# Altium PCB APP_EMILE.PcbDoc (part 3 of 6) (continued)
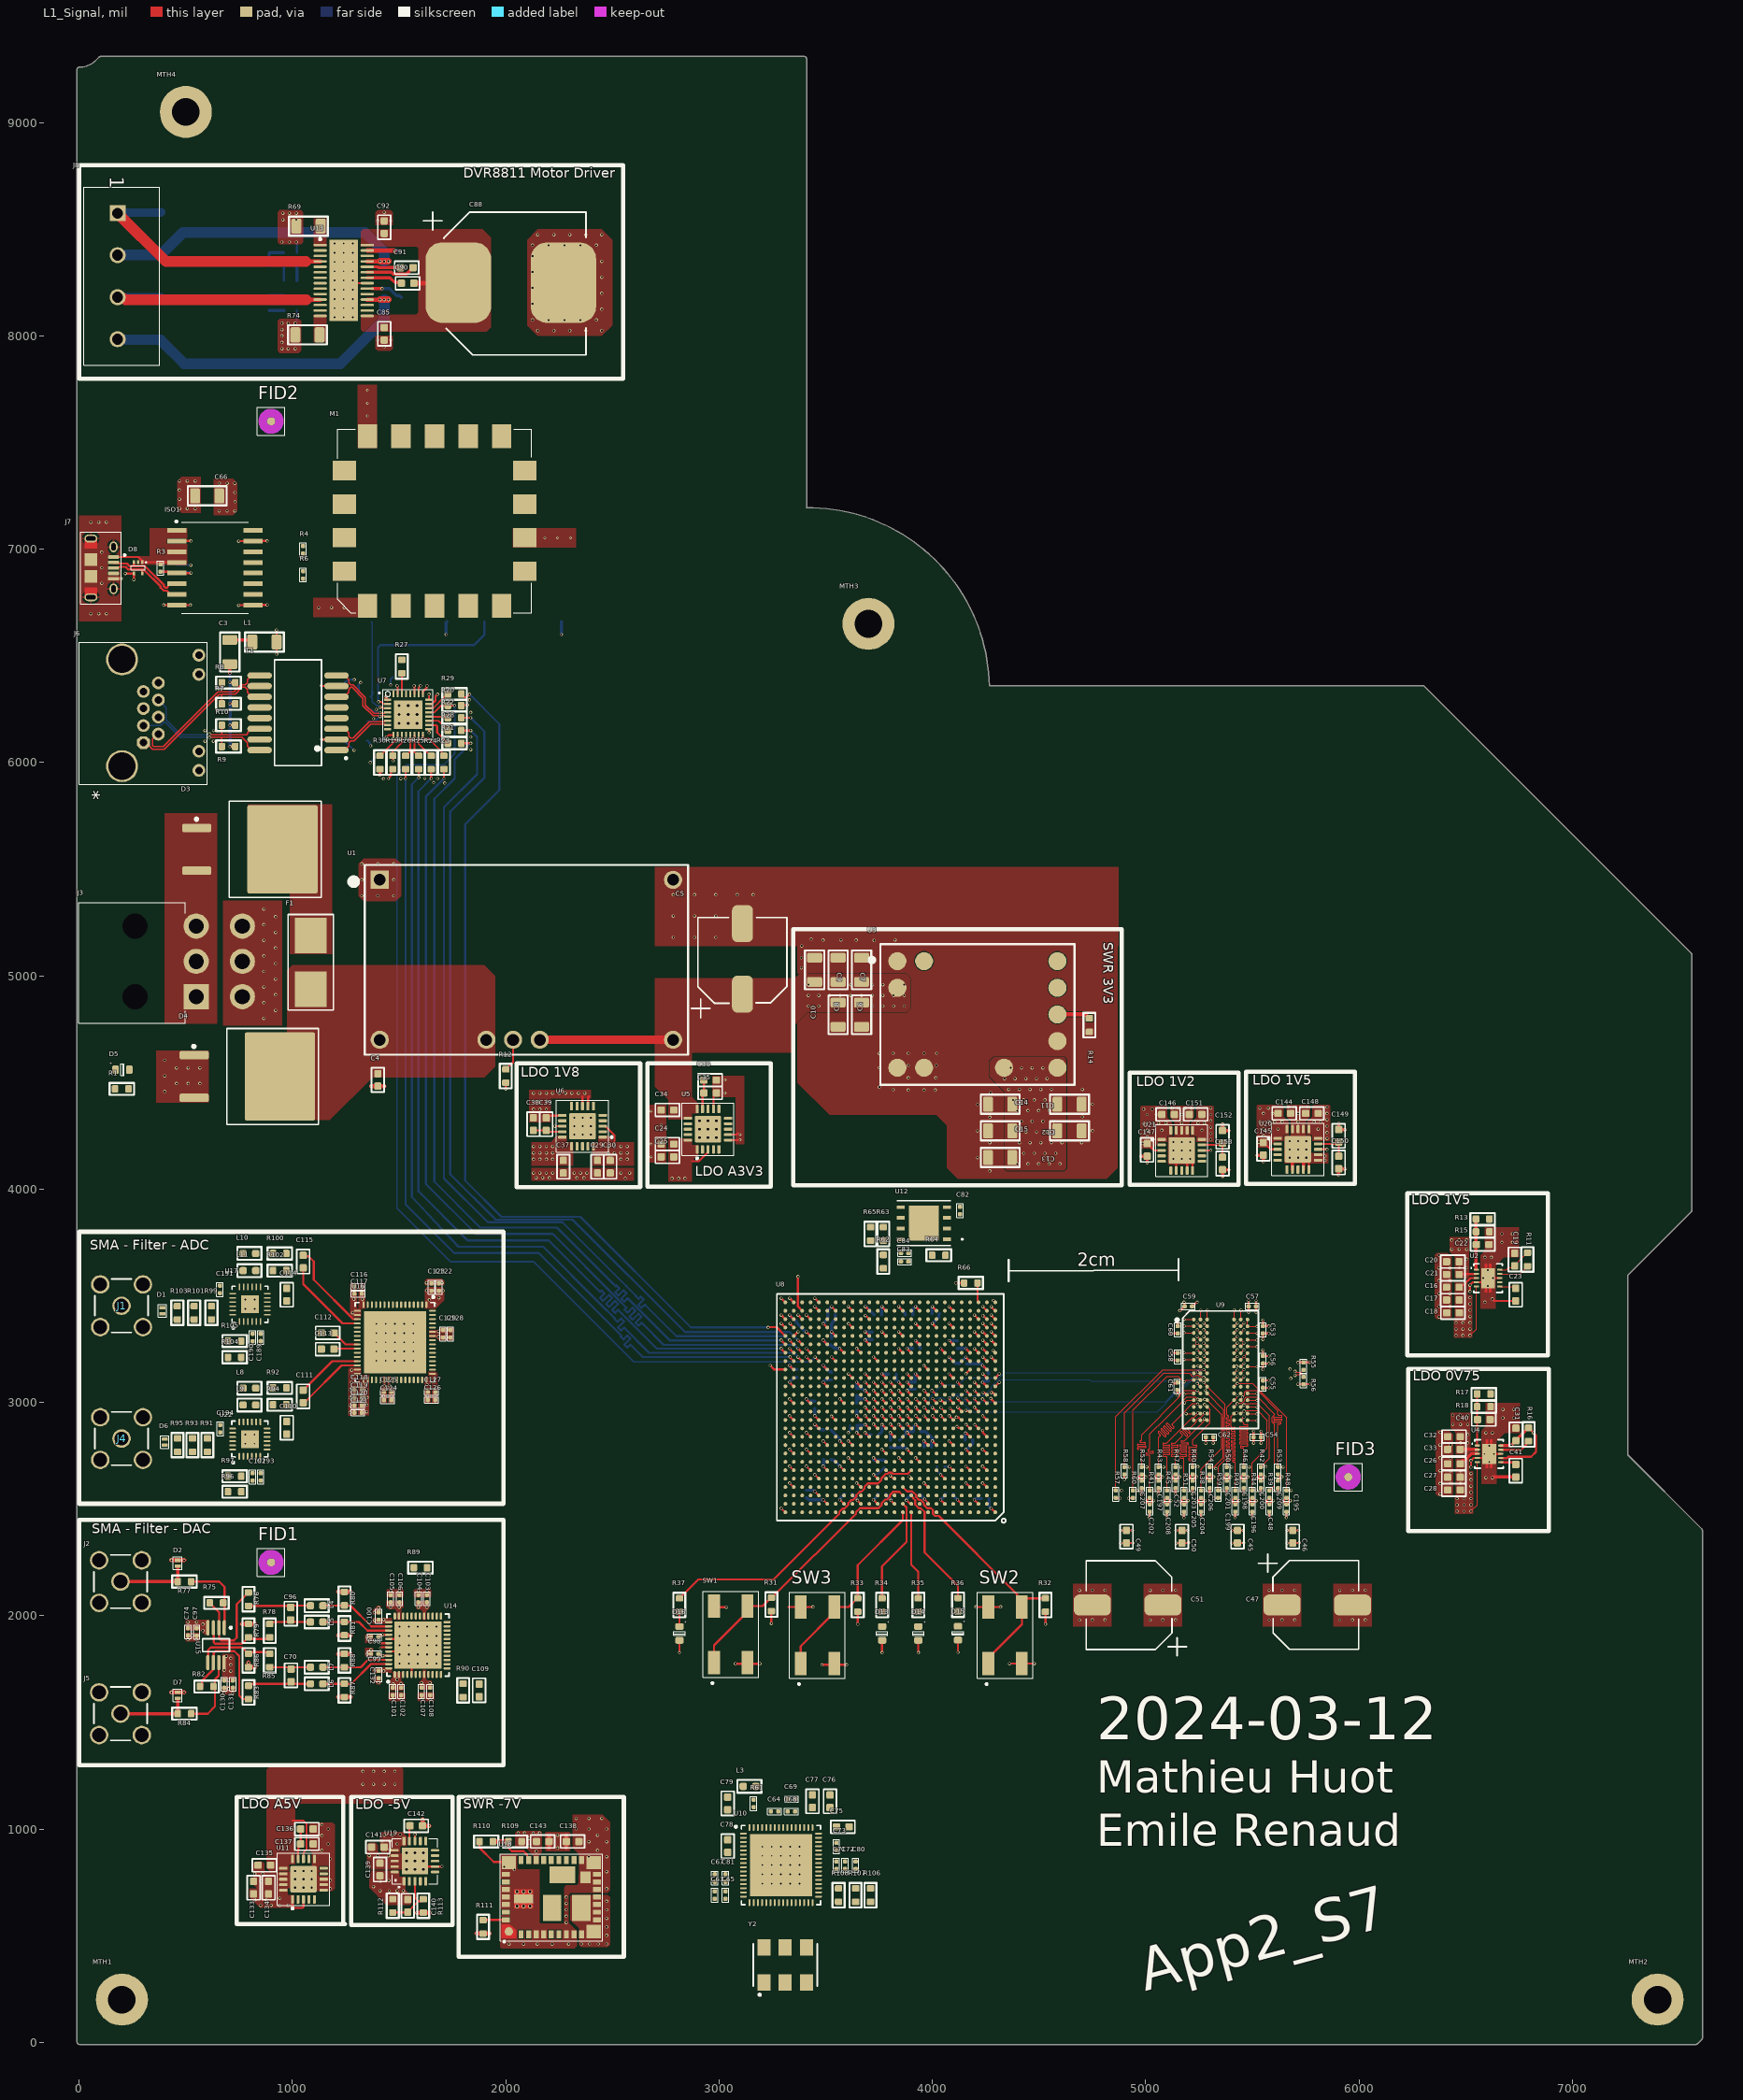
[diagram p0: L1_Signal view]
## Nets (pads, with @x,y where several pads share a name; then routed paths per layer and width w, separated by ;. In a path a pad name is that pad's centre, name@x,y a point inside that pad or via, vN(x,y) a via of type N, cw(c..) or ccw(c..) an arc to the next point about the centre after c; other vN are vias at no path point) (continued)
  L1_Signal w15: C26.2@6474.41,2716.97 6485.28,2727.84 6495.78,2727.84 6527.51,2759.57 U4.3@6554.8,2759.57
  other v1: 5020.46,1979.5 5579.04,1979.5 5080.46,1979.75 5140.46,1980 5639.04,1979.75 5699.04,1980 5020.46,2119.25 5080.46,2119.5 5579.04,2119.25 5639.04,2119.5 5140.46,2119.75 5699.04,2119.75 6460,2490 6492.46,2490 6460,2519.5 6492.46,2519.5 6524.91,2519.5 5000.09,2535 5081,2535 5161.54,2535 5241,2535 5401,2535 5481.54,2535 5561.54,2535 5641,2535 6460,2548.99 6492.46,2548.99 6524.91,2548.99 6524.91,2578.49 6524.91,2607.98 6476.7,2620 6524.91,2637.48 4962.54,2645 5041,2645 5121,2645 5201,2645 5281,2645 5361,2645 5441,2645 5521,2645 6524.91,2666.97 6476.7,2680
DDR3_1V5: C16.2 C17.2 C18.2 C53.2 C54.2 C55.2 C56.2 C57.2 C58.2 C59.2 C60.2 C61.2 C62.2 U2.3 U2.5 U9.A1 U9.A8 U9.B2 U9.C1 U9.C9 U9.D2 U9.D9 U9.E9 U9.F1 U9.G7 U9.H2 U9.H9 U9.K2 U9.K8 U9.N1 U9.N9 U9.R1 U9.R9 | length 1366.4
  L1_Signal w4: v1(5180,3390) 5180.67,3389.33 U9.A1@5224.53,3389.33 ; v1@5180.67,3231.85 U9.F1@5224.53,3231.85 ; v1@5180.67,3326.34 U9.C1@5224.53,3326.34 ; v1(5182.23,2997.51) 5194.04,3009.32 5222.48,3009.32 U9.N1@5224.53,3011.38 ; v1(5189.79,2947) 5191.08,2945.71 5203.29,2945.71 5205.29,2947.71 5223.86,2947.71 U9.R1@5224.53,2948.38 ; v1(5241.5,3309.01) 5241.68,3309.01 5256.52,3294.17 U9.D2@5256.7,3294.17 ; v1(5241.5,3372) 5241.68,3372 5256.52,3357.16 U9.B2@5256.7,3357.16 ; v1(5242.72,3113.43) 5245.59,3113.43 5253.83,3105.19 U9.K2@5256.7,3105.19 ; v1(5245.62,3171.06) 5253.82,3171.06 U9.H2@5256.7,3168.18 ; U9.G7@5414.18,3199.68 5414.18,3199.86 5429.02,3214.7 v1(5429.02,3214.88) ; U9.K8@5445.68,3105.19 5445.68,3105.37 5460.52,3120.21 v1(5460.52,3120.39) ; U9.A8@5446.35,3389.33 v1@5446.35,3433.19 ; U9.R9@5477.84,2947.04 v1@5521.7,2947.04 ; U9.N9@5477.84,3010.03 v1@5521.7,3010.03 ; U9.H9@5477.84,3167.51 v1@5521.7,3167.51 ; U9.E9@5477.84,3262 v1@5521.7,3262 ; U9.D9@5477.84,3293.5 v1@5521.7,3293.5 ; U9.C9@5477.84,3324.99 v1@5521.7,3324.99
  L1_Signal w5: v1(6520,3314.08) 6549.88,3343.96 U2.5@6549.88,3543.23
  L1_Signal w10: v1(5122.5,3232.02) C58.2@5150,3232.02 ; v1(5122.5,3323) C60.2@5150,3323 ; C61.2@5147.6,3058.19 5149.11,3056.68 5149.11,3034.77 v1(5150.06,3033.82) ; C59.2@5217.5,3450 5219.5,3450 5239.61,3470.11 v1(5241.62,3470.11) ; v1(5281.96,2809.39) C62.2@5281.96,2836.89 ; v1(5482.5,3422.5) C57.2@5482.5,3450 v1(5482.5,3477.5) ; v1(5541.01,2809.39) C54.2@5541.01,2836.89 v1(5541.01,2864.39) ; C55.2@5550,3103.14 v1(5577.5,3103.14) ; v1(5550,3154.86) C56.2@5550,3182.36 v1(5577.5,3182.36) ; v1(5550,3295.86) C53.2@5550,3323.36 v1(5577.5,3323.36) ; C16.2@6469.5,3540 6480.36,3550.86 6490.86,3550.86 6522.6,3582.6 U2.3@6549.88,3582.6
  other v1: 5522.38,2946.37 5522.38,3009.36 5522.38,3166.84 5180,3232.52 5522.38,3261.33 5522.38,3292.82 6455.09,3314.08 6487.54,3314.08 5522.38,3324.32 5180,3327.01 6455.09,3343.57 6487.54,3343.57 6520,3343.57 6455.09,3373.07 6487.54,3373.07 6520,3373.07 6520,3402.56 6520,3432.06 5447.02,3433.86 6520,3461.55 6520,3491.05
DDR3_A0: R38.1 U8.N7 U9.N3 | length 2183.1
  L1_Signal w4: R38.1@5260,2587.5 5260,2688.07 5357,2785.07 5357,2941.9 5286.49,3012.41 5277.46,3012.41 v1(5275.75,3014.12)
  L1_Signal w10: v1(4040.34,2975.01) U8.N7@4059.23,2956.11
  L10_Signal w7.04: v1(4040.34,2975.01) 4023.08,2992.26 4023.08,3024.3 4067.74,3068.96 4525,3068.96 4528.52,3068.96 ccw(c4528.52,3076) 4535.56,3076 4535.56,3082.94 cw(c4541.58,3082.94) 4541.58,3088.96 cw(c4541.58,3082.94) 4547.6,3082.94 4547.6,3054.98 ccw(c4553.62,3054.98) 4553.62,3048.96 ccw(c4553.62,3054.98) 4559.64,3054.98 4559.64,3082.94 cw(c4565.65,3082.94) 4565.65,3088.96 cw(c4565.65,3082.94) 4571.67,3082.94 4571.67,3054.98 ccw(c4577.69,3054.98) 4577.69,3048.96 ccw(c4577.69,3054.98) 4583.71,3054.98 4583.71,3082.94 cw(c4589.73,3082.94) 4589.73,3088.96 cw(c4589.73,3082.94) 4595.75,3082.94 4595.75,3054.98 ccw(c4601.77,3054.98) 4601.77,3048.96 ccw(c4601.77,3054.98) 4607.79,3054.98 4607.79,3082.94 cw(c4613.81,3082.94) 4613.81,3088.96 cw(c4613.81,3082.94) 4619.83,3082.94 4619.83,3054.98 ccw(c4625.85,3054.98) 4625.85,3048.96 ccw(c4625.85,3054.98) 4631.87,3054.98 4631.87,3076.82 cw(c4637.89,3076.82) 4637.89,3082.84 cw(c4637.89,3076.82) 4643.9,3076.82 4643.9,3076 ccw(c4650.94,3076) 4650.94,3068.96 4690,3068.96 5209.75,3068.96 5235.7,3043.02 5255.52,3043.02 5264.83,3033.71 5264.83,3027.2 5275.75,3016.27 v1(5275.75,3014.12)
DDR3_A1: R39.1 U8.N6 U9.P7 | length 2390.9
  L1_Signal w4: U9.P7@5414.18,2979.21 5414.18,2979.39 5429.02,2994.23 v1(5429.02,2994.4) 5432,2994.4 5434.44,2996.85 5451.42,2996.85 5463.31,3008.74 5463.31,3016.44 5471.43,3024.56 5524.85,3024.56 5604,2945.41 5604,2942.1 5599.81,2937.91 5599.65,2937.91 5593.5,2931.76 5593.5,2907.06 5604,2896.56 5604,2611.5 R39.1@5580,2587.5
  L1_Signal w10: v1(4082.56,2973.04) 4082.56,2972.87 4097.76,2957.66 U8.N6@4097.94,2957.66
  L3_Signal w7.04: v1(4082.56,2973.04) 4111.02,2944.57 4118.43,2944.57 4150.1,2912.9 4318.32,2912.9 4361.23,2870 4428.13,2870 4431.65,2870 ccw(c4431.65,2877.04) 4438.69,2877.04 4438.69,2883.98 cw(c4444.7,2883.98) 4444.7,2890 cw(c4444.7,2883.98) 4450.72,2883.98 4450.72,2856.02 ccw(c4456.74,2856.02) 4456.74,2850 ccw(c4456.74,2856.02) 4462.76,2856.02 4462.76,2883.98 cw(c4468.78,2883.98) 4468.78,2890 cw(c4468.78,2883.98) 4474.8,2883.98 4474.8,2856.02 ccw(c4480.82,2856.02) 4480.82,2850 ccw(c4480.82,2856.02) 4486.84,2856.02 4486.84,2881.94 cw(c4492.86,2881.94) 4492.86,2887.96 cw(c4492.86,2881.94) 4498.88,2881.94 4498.88,2862.96 ccw(c4504.9,2862.96) 4504.9,2856.94 ccw(c4504.9,2862.96) 4510.92,2862.96 cw(c4517.95,2862.96) 4517.95,2870 5006.81,2870 5365.44,2870 5440.61,2945.17 5440.61,2948.58 5447.72,2955.69 5447.72,2965.21 5455.94,2973.42 5465.46,2973.42 5474.54,2982.5 5474.54,3000.21 5466.32,3008.42 5454.71,3008.42 5442.21,2995.93 5430.54,2995.93 v1(5429.02,2994.4)
DDR3_A2: R40.1 U8.R9 U9.P3 | length 2297.1
  L1_Signal w4: R40.1@5220,2697.5 5220,2721.5 5220,2723.5 ccw(c5215.5,2723.5) 5215.5,2728 5204.5,2728 cw(c5204.5,2732.5) 5204.5,2737 5235.5,2737 ccw(c5235.5,2741.5) 5235.5,2746 5204.5,2746 cw(c5204.5,2750.5) 5204.5,2755 5235.5,2755 ccw(c5235.5,2759.5) 5235.5,2764 5204.5,2764 cw(c5204.5,2768.5) 5204.5,2773 5235.5,2773 ccw(c5235.5,2777.5) 5235.5,2782 5204.5,2782 cw(c5204.5,2786.5) 5204.5,2791 5235.5,2791 ccw(c5235.5,2795.5) 5235.5,2800 5224.5,2800 cw(c5224.5,2804.5) 5220,2804.5 5220,2817.09 5220,2823.64 5302.05,2905.69 5302.05,2965.35 U9.P3@5288.2,2979.21 5287.5,2979.21 5276.54,2990.17 v1(5275.84,2990.17)
  L1_Signal w10: v1(3960.93,3055.29) U8.R9@3979.83,3036.4
  L10_Signal w7.04: v1(3960.93,3055.29) 3962.46,3053.77 3978.69,3053.77 3990.55,3041.91 4026.5,3041.91 4094.58,3110 4390,3110 4393.52,3110 ccw(c4393.52,3117.04) 4400.56,3117.04 4400.56,3117.63 cw(c4406.58,3117.63) 4406.58,3123.65 cw(c4406.58,3117.63) 4412.6,3117.63 4412.6,3096.02 ccw(c4418.62,3096.02) 4418.62,3090 ccw(c4418.62,3096.02) 4424.64,3096.02 4424.64,3117.63 cw(c4430.65,3117.63) 4430.65,3123.65 cw(c4430.65,3117.63) 4436.67,3117.63 4436.67,3096.02 ccw(c4442.69,3096.02) 4442.69,3090 ccw(c4442.69,3096.02) 4448.71,3096.02 4448.71,3117.63 cw(c4454.73,3117.63) 4454.73,3123.65 cw(c4454.73,3117.63) 4460.75,3117.63 4460.75,3096.02 ccw(c4466.77,3096.02) 4466.77,3090 ccw(c4466.77,3096.02) 4472.79,3096.02 4472.79,3111.92 cw(c4478.81,3111.92) 4478.81,3117.94 cw(c4478.81,3111.92) 4484.83,3111.92 4484.83,3102.96 ccw(c4490.85,3102.96) 4490.85,3096.94 ccw(c4490.85,3102.96) 4496.87,3102.96 cw(c4503.9,3102.96) 4503.9,3110 4600,3110 4780.65,3110 4787.01,3103.65 4824.38,3103.65 4830.74,3110 5208.37,3110 5228.34,3090.03 5228.34,3082.62 5239.9,3071.06 5247.31,3071.06 5265.37,3053 5265.37,3049.29 5290.07,3024.59 5290.07,3004.55 5275.84,2990.32 v1(5275.84,2990.17)
DDR3_A3: R41.1 U8.P7 U9.N2 | length 2318.9
  L1_Signal w4: R41.1@5019.09,2587.5 5019.09,2746.28 5019.09,2748.28 ccw(c5014.59,2748.28) 5014.59,2752.78 5003.59,2752.78 cw(c5003.59,2757.28) 5003.59,2761.78 5033.22,2761.78 ccw(c5033.22,2766.28) 5033.22,2770.78 5014.59,2770.78 cw(c5014.59,2775.28) 5014.59,2779.78 ccw(c5014.59,2784.28) 5019.09,2784.28 5019.09,2847.06 5019.09,2852.05 5092.62,2925.58 5147.6,2980.56 5191.6,3024.56 5232.05,3024.56 5243.07,3013.55 5243.07,3011.38 5244.22,3012.53 5254.87,3012.53 U9.N2@5256.7,3010.7 ; v1@5242.15,3012.3 v1(5244.21,3014.37)
  L1_Signal w10: v1(4037.1,3010.53) 4038.06,3009.58 4043.58,3009.58 4056.13,2997.03 U8.P7@4058.57,2997.03
  L10_Signal w7.04: v1(4037.1,3010.53) 4039.26,3010.53 4048.77,3020.04 4058.11,3020.04 4073.24,3035.18 4084.85,3035.18 4100.41,3019.62 4100.41,3018.36 4115.96,3002.8 4123.06,3002.8 4136.65,3016.39 4136.65,3017.52 4151.13,3032 4240.14,3032 4267.93,3004.21 4663.37,3004.21 4664.03,3004.21 4666.89,3007.07 ccw(c4656.6,3017.35) 4671.15,3017.35 4671.15,3031.97 cw(c4679.67,3031.97) 4679.67,3040.49 cw(c4679.67,3031.97) 4688.19,3031.97 4688.19,3009.01 ccw(c4696.71,3009.01) 4696.71,3000.49 ccw(c4696.71,3009.01) 4705.22,3009.01 4705.22,3031.97 cw(c4713.74,3031.97) 4713.74,3040.49 cw(c4713.74,3031.97) 4722.26,3031.97 4722.26,3009.01 ccw(c4730.78,3009.01) 4730.78,3000.49 ccw(c4730.78,3009.01) 4739.3,3009.01 4739.3,3031.97 cw(c4747.82,3031.97) 4747.82,3040.49 cw(c4747.82,3031.97) 4756.34,3031.97 4756.34,3009.01 ccw(c4764.86,3009.01) 4764.86,3000.49 ccw(c4764.86,3009.01) 4773.38,3009.01 4773.38,3031.97 cw(c4781.9,3031.97) 4781.9,3040.49 cw(c4781.9,3031.97) 4790.42,3031.97 4790.42,3009.01 ccw(c4798.94,3009.01) 4798.94,3000.49 ccw(c4798.94,3009.01) 4807.46,3009.01 4807.46,3031.97 cw(c4815.98,3031.97) 4815.98,3040.49 cw(c4815.98,3031.97) 4824.49,3031.97 4824.49,3009.01 ccw(c4833.01,3009.01) 4833.01,3000.49 ccw(c4833.01,3009.01) 4841.53,3009.01 4841.53,3031.97 cw(c4850.05,3031.97) 4850.05,3040.49 cw(c4850.05,3031.97) 4858.57,3031.97 4858.57,3029.01 ccw(c4867.09,3029.01) 4867.09,3020.49 4892.4,3020.49 5012.45,3020.49 5020.87,3012.06 5239.11,3012.06 5239.89,3012.84 5242.69,3012.84 v1(5244.21,3014.37)
DDR3_A4: R42.1 U8.N9 U9.P8 | length 2187.5
  L1_Signal w4: U9.P8@5445.68,2979.21 5445.68,2979.39 v1@5456.69,2990.4 ; v1(5459.65,2987.44) v1@5456.69,2990.4 ; R42.1@5540,2697.5 5580,2737.5 5580,2937.92 5523.51,2994.4 5460.52,2994.4 5460.52,2994.23 v1@5456.69,2990.4
  L1_Signal w10: v1(3960.93,2976.9) U8.N9@3979.83,2958.01
  L3_Signal w7.04: v1(3960.93,2976.9) 3980.55,2996.52 4042.91,2996.52 4053.53,3007.14 4112.39,3007.14 4118.02,3001.5 4223.83,3001.5 4233.89,2991.45 4398.55,2991.45 4425,2965 4447.35,2965 4462.91,2965 cw(c4462.91,2957.96) 4469.94,2957.96 4469.94,2951.02 ccw(c4475.96,2951.02) 4475.96,2945 ccw(c4475.96,2951.02) 4481.98,2951.02 4481.98,2958.98 cw(c4488,2958.98) 4488,2965 cw(c4488,2958.98) 4494.02,2958.98 4494.02,2951.02 ccw(c4500.04,2951.02) 4500.04,2945 ccw(c4500.04,2951.02) 4506.06,2951.02 4506.06,2958.98 cw(c4512.08,2958.98) 4512.08,2965 cw(c4512.08,2958.98) 4518.1,2958.98 4518.1,2951.02 ccw(c4524.12,2951.02) 4524.12,2945 ccw(c4524.12,2951.02) 4530.14,2951.02 4530.14,2958.98 cw(c4536.16,2958.98) 4536.16,2965 cw(c4536.16,2958.98) 4542.18,2958.98 4542.18,2951.02 ccw(c4548.19,2951.02) 4548.19,2945 ccw(c4548.2,2951.02) 4554.21,2951.02 4554.21,2958.98 cw(c4560.23,2958.98) 4560.23,2965 cw(c4560.23,2958.98) 4566.25,2958.98 4566.25,2951.02 ccw(c4572.27,2951.02) 4572.27,2945 ccw(c4572.27,2951.02) 4578.29,2951.02 4578.29,2958.98 cw(c4584.31,2958.98) 4584.31,2965 cw(c4584.31,2958.98) 4590.33,2958.98 4590.33,2951.02 ccw(c4596.35,2951.02) 4596.35,2945 ccw(c4596.35,2951.02) 4602.37,2951.02 4602.37,2958.98 cw(c4608.39,2958.98) 4608.39,2965 cw(c4608.39,2958.98) 4614.41,2958.98 4614.41,2955.73 ccw(c4620.43,2955.73) 4620.43,2949.71 ccw(c4620.43,2955.73) 4626.45,2955.73 4626.45,2957.96 cw(c4633.48,2957.96) 4633.48,2965 5012.82,2965 5431.11,2965 5452.03,2985.92 5458.13,2985.92 v1(5459.65,2987.44)
DDR3_A5: R43.1 U8.R2 U9.P2 | length 2435.1
  L1_Signal w4: R43.1@5060,2697.5 5060,2834.89 5065.81,2840.7 5067.22,2842.11 ccw(c5064.04,2845.3) 5067.22,2848.48 5059.45,2856.26 cw(c5062.63,2859.44) 5059.45,2862.62 cw(c5062.63,2859.44) 5065.81,2862.62 5087.73,2840.7 ccw(c5090.91,2843.88) 5094.09,2840.7 ccw(c5090.91,2843.88) 5094.09,2847.06 5072.17,2868.98 cw(c5075.36,2872.17) 5072.17,2875.35 cw(c5075.36,2872.17) 5078.54,2875.35 5100.46,2853.43 ccw(c5103.64,2856.61) 5106.82,2853.43 ccw(c5103.64,2856.61) 5106.82,2859.79 5084.9,2881.71 cw(c5088.08,2884.89) 5084.9,2888.08 cw(c5088.08,2884.89) 5091.27,2888.08 5113.19,2866.16 ccw(c5116.37,2869.34) 5119.55,2866.16 ccw(c5116.37,2869.34) 5119.55,2872.52 5097.63,2894.44 cw(c5100.81,2897.62) 5097.63,2900.8 cw(c5100.81,2897.62) 5103.99,2900.8 5125.18,2879.62 ccw(c5128.36,2882.8) 5131.54,2879.62 ccw(c5128.36,2882.8) 5131.54,2885.98 5124.5,2893.03 cw(c5127.68,2896.21) 5124.5,2899.39 5160.94,2935.83 5219.17,2994.06 5242.1,2994.06 v1(5243.8,2992.36) ; v1@5243.8,2991.98 5244.05,2991.98 5256.7,2979.33 U9.P2@5256.7,2979.21
  L1_Signal w10: v1(4238.05,3046.02) 4239,3045.06 4244.32,3045.06 4253.33,3036.05 U8.R2@4255.42,3036.05
  L3_Signal w7.04: v1(4238.05,3046.02) 4238.05,3043.87 4249.03,3032.88 4249.03,3023.1 4270.65,3001.49 4402.71,3001.49 4420.71,2983.49 4428.13,2983.49 4457.58,2983.49 ccw(c4457.58,2990.52) 4464.62,2990.52 4464.62,2997.47 cw(c4470.64,2997.47) 4470.64,3003.49 cw(c4470.64,2997.47) 4476.66,2997.47 4476.66,2981.06 ccw(c4482.67,2981.06) 4482.67,2975.04 ccw(c4482.67,2981.06) 4488.69,2981.06 4488.69,2997.47 cw(c4494.71,2997.47) 4494.71,3003.49 cw(c4494.71,2997.47) 4500.73,2997.47 4500.73,2981.06 ccw(c4506.75,2981.06) 4506.75,2975.04 ccw(c4506.75,2981.06) 4512.77,2981.06 4512.77,2997.47 cw(c4518.79,2997.47) 4518.79,3003.49 cw(c4518.79,2997.47) 4524.81,2997.47 4524.81,2981.06 ccw(c4530.83,2981.06) 4530.83,2975.04 ccw(c4530.83,2981.06) 4536.85,2981.06 4536.85,2997.47 cw(c4542.87,2997.47) 4542.87,3003.49 cw(c4542.87,2997.47) 4548.89,2997.47 4548.89,2981.06 ccw(c4554.91,2981.06) 4554.91,2975.04 ccw(c4554.91,2981.06) 4560.92,2981.06 4560.93,2997.47 cw(c4566.94,2997.47) 4566.94,3003.49 cw(c4566.94,2997.47) 4572.96,2997.47 4572.96,2981.06 ccw(c4578.98,2981.06) 4578.98,2975.04 ccw(c4578.98,2981.06) 4585,2981.06 4585,2997.47 cw(c4591.02,2997.47) 4591.02,3003.49 cw(c4591.02,2997.47) 4597.04,2997.47 4597.04,2981.06 ccw(c4603.06,2981.06) 4603.06,2975.04 ccw(c4603.06,2981.06) 4609.08,2981.06 4609.08,2997.47 cw(c4615.1,2997.47) 4615.1,3003.49 cw(c4615.1,2997.47) 4621.12,2997.47 4621.12,2981.06 ccw(c4627.14,2981.06) 4627.14,2975.04 ccw(c4627.14,2981.06) 4633.16,2981.06 4633.16,2997.47 cw(c4639.18,2997.47) 4639.18,3003.49 cw(c4639.18,2997.47) 4645.19,2997.47 4645.19,2981.06 ccw(c4651.21,2981.06) 4651.21,2975.04 ccw(c4651.21,2981.06) 4657.23,2981.06 4657.23,2997.47 cw(c4663.25,2997.47) 4663.25,3003.49 cw(c4663.25,2997.47) 4669.27,2997.47 4669.27,2981.06 ccw(c4675.29,2981.06) 4675.29,2975.04 ccw(c4675.29,2981.06) 4681.31,2981.06 4681.31,2997.47 cw(c4687.33,2997.47) 4687.33,3003.49 cw(c4687.33,2997.47) 4693.35,2997.47 4693.35,2981.06 ccw(c4699.37,2981.06) 4699.37,2975.04 ccw(c4699.37,2981.06) 4705.39,2981.06 4705.39,2997.47 cw(c4711.41,2997.47) 4711.41,3003.49 cw(c4711.41,2997.47) 4717.43,2997.47 4717.43,2981.06 ccw(c4723.44,2981.06) 4723.44,2975.04 ccw(c4723.44,2981.06) 4729.46,2981.06 4729.46,2997.47 cw(c4735.48,2997.47) 4735.48,3003.49 cw(c4735.48,2997.47) 4741.5,2997.47 4741.5,2981.06 ccw(c4747.52,2981.06) 4747.52,2975.04 ccw(c4747.52,2981.06) 4753.54,2981.06 4753.54,2997.47 cw(c4759.56,2997.47) 4759.56,3003.49 cw(c4759.56,2997.47) 4765.58,2997.47 4765.58,2981.06 ccw(c4771.6,2981.06) 4771.6,2975.04 ccw(c4771.6,2981.06) 4777.62,2981.06 4777.62,2997.47 cw(c4783.64,2997.47) 4783.64,3003.49 cw(c4783.64,2997.47) 4789.66,2997.47 4789.66,2981.06 ccw(c4795.68,2981.06) 4795.68,2975.04 ccw(c4795.68,2981.06) 4801.69,2981.06 4801.69,2997.47 cw(c4807.71,2997.47) 4807.71,3003.49 cw(c4807.71,2997.47) 4813.73,2997.47 4813.73,2990.52 ccw(c4820.77,2990.52) 4820.77,2983.49 5125.25,2983.49 5204.12,2983.49 5214.69,2994.06 5225.87,2994.06 5226.05,2993.88 5242.28,2993.88 v1(5243.8,2992.36)
DDR3_A6: R44.1 U8.R1 U9.R8 | length 2267.8
  L1_Signal w4: U9.R8@5445.68,2947.71 5446.76,2947.71 5460.69,2961.64 5461.78,2961.64 5524.78,2961.64 5570,2916.42 5570,2787.5 5500,2717.5 R44.1@5500,2587.5 ; v1(5461.74,2959.4) v1@5461.74,2961.64
  L1_Signal w10: v1(4275.89,3046.02) 4276.76,3046.88 4281.87,3046.88 4292.7,3036.05 U8.R1@4294.79,3036.05
  L3_Signal w7.04: v1(4275.89,3046.02) 4352.46,3046.02 4354.28,3047.84 4727.98,3047.84 4731.5,3047.84 ccw(c4731.5,3054.88) 4738.54,3054.88 4738.54,3057.75 cw(c4744.56,3057.75) 4744.56,3063.77 cw(c4744.56,3057.75) 4750.58,3057.75 4750.58,3040.8 ccw(c4756.6,3040.8) 4756.6,3034.78 ccw(c4756.6,3040.8) 4762.62,3040.8 cw(c4769.66,3040.8) 4769.66,3047.84 4878.47,3047.84 4951.16,3047.84 4954.68,3047.84 ccw(c4954.68,3054.88) 4961.72,3054.88 4961.72,3061.82 cw(c4967.73,3061.82) 4967.73,3067.84 cw(c4967.73,3061.82) 4973.75,3061.82 4973.75,3040.43 ccw(c4979.77,3040.43) 4979.77,3034.41 ccw(c4979.77,3040.43) 4985.79,3040.43 4985.79,3061.82 cw(c4991.81,3061.82) 4991.81,3067.84 cw(c4991.81,3061.82) 4997.83,3061.82 4997.83,3040.43 ccw(c5003.85,3040.43) 5003.85,3034.41 ccw(c5003.85,3040.43) 5009.87,3040.43 5009.87,3061.82 cw(c5015.89,3061.82) 5015.89,3067.84 cw(c5015.89,3061.82) 5021.91,3061.82 5021.91,3040.43 ccw(c5027.93,3040.43) 5027.93,3034.41 ccw(c5027.93,3040.43) 5033.95,3040.43 5033.95,3061.82 cw(c5039.97,3061.82) 5039.97,3067.84 cw(c5039.97,3061.82) 5045.98,3061.82 5045.98,3040.43 ccw(c5052,3040.43) 5052,3034.41 ccw(c5052,3040.43) 5058.02,3040.43 5058.02,3061.82 cw(c5064.04,3061.82) 5064.04,3067.84 cw(c5064.04,3061.82) 5070.06,3061.82 5070.06,3040.43 ccw(c5076.08,3040.43) 5076.08,3034.41 ccw(c5076.08,3040.43) 5082.1,3040.43 5082.1,3061.82 cw(c5088.12,3061.82) 5088.12,3067.84 cw(c5088.12,3061.82) 5094.14,3061.82 5094.14,3040.43 ccw(c5100.16,3040.43) 5100.16,3034.41 ccw(c5100.16,3040.43) 5106.18,3040.43 5106.18,3061.82 cw(c5112.2,3061.82) 5112.2,3067.84 cw(c5112.2,3061.82) 5118.22,3061.82 5118.22,3054.88 ccw(c5125.25,3054.88) 5125.25,3047.84 5139.7,3047.84 5155.78,3047.84 5160.35,3052.41 5226.3,3052.41 5236.28,3042.44 5334.75,3042.44 5337.27,3044.96 5483.35,3044.96 5490,3038.31 5490,2970 5479.8,2959.8 5462.14,2959.8 v1(5461.74,2959.4)
DDR3_A7: R45.1 U8.P10 U9.R2 | length 2317.8
  L1_Signal w4: R45.1@5100,2587.5 5100,2739.78 5100,2741.78 ccw(c5095.5,2741.78) 5095.5,2746.28 5084.5,2746.28 cw(c5084.5,2750.78) 5084.5,2755.28 5109.02,2755.28 ccw(c5109.02,2759.78) 5109.02,2764.28 5084.5,2764.28 cw(c5084.5,2768.78) 5084.5,2773.28 5109.02,2773.28 ccw(c5109.02,2777.78) 5109.02,2782.28 5084.5,2782.28 cw(c5084.5,2786.78) 5084.5,2791.28 5109.02,2791.28 ccw(c5109.02,2795.78) 5109.02,2800.28 5084.5,2800.28 cw(c5084.5,2804.78) 5084.5,2809.28 5096.8,2809.28 ccw(c5096.8,2813.78) 5099.99,2810.6 5121.95,2832.56 5202.68,2913.29 5219.46,2930.07 5227.16,2930.07 5242.18,2945.09 5242.18,2948.88 v1(5244.28,2950.98)
  L1_Signal w10: v1(3921.56,3015.92) U8.P10@3940.46,2997.03
  L10_Signal w7.04: v1(3921.56,3015.92) 3940.26,3015.92 3964.01,2992.17 4004.09,2992.17 4019.31,2976.95 4019.31,2976.21 4034.53,2960.99 4046.14,2960.99 4059.69,2974.53 4059.69,2977.03 4073.24,2990.57 4084.85,2990.57 4098.35,2977.07 4098.35,2975 4122.14,2951.2 4141.52,2951.2 4144.21,2948.52 4227.26,2948.52 4231.08,2952.34 4328.59,2952.34 4344.14,2952.34 cw(c4344.14,2945.3) 4351.18,2945.3 4351.18,2938.36 ccw(c4357.2,2938.36) 4357.2,2932.34 ccw(c4357.2,2938.36) 4363.22,2938.36 4363.22,2946.32 cw(c4369.24,2946.32) 4369.24,2952.34 cw(c4369.24,2946.32) 4375.26,2946.32 4375.26,2938.36 ccw(c4381.28,2938.36) 4381.28,2932.34 ccw(c4381.28,2938.36) 4387.3,2938.36 4387.3,2946.32 cw(c4393.32,2946.32) 4393.32,2952.34 cw(c4393.32,2946.32) 4399.34,2946.32 4399.34,2938.36 ccw(c4405.36,2938.36) 4405.36,2932.34 ccw(c4405.36,2938.36) 4411.37,2938.36 4411.37,2946.32 cw(c4417.39,2946.32) 4417.39,2952.34 cw(c4417.39,2946.32) 4423.41,2946.32 4423.41,2938.36 ccw(c4429.43,2938.36) 4429.43,2932.34 ccw(c4429.43,2938.36) 4435.45,2938.36 4435.45,2946.32 cw(c4441.47,2946.32) 4441.47,2952.34 cw(c4441.47,2946.32) 4447.49,2946.32 4447.49,2938.36 ccw(c4453.51,2938.36) 4453.51,2932.34 ccw(c4453.51,2938.36) 4459.53,2938.36 4459.53,2946.32 cw(c4465.55,2946.32) 4465.55,2952.34 cw(c4465.55,2946.32) 4471.57,2946.32 4471.57,2938.36 ccw(c4477.59,2938.36) 4477.59,2932.34 ccw(c4477.59,2938.36) 4483.61,2938.36 4483.61,2946.32 cw(c4489.62,2946.32) 4489.62,2952.34 cw(c4489.62,2946.32) 4495.64,2946.32 4495.64,2938.36 ccw(c4501.66,2938.36) 4501.66,2932.34 ccw(c4501.66,2938.36) 4507.68,2938.36 4507.68,2946.32 cw(c4513.7,2946.32) 4513.7,2952.34 cw(c4513.7,2946.32) 4519.72,2946.32 4519.72,2938.36 ccw(c4525.74,2938.36) 4525.74,2932.34 ccw(c4525.74,2938.36) 4531.76,2938.36 4531.76,2946.32 cw(c4537.78,2946.32) 4537.78,2952.34 cw(c4537.78,2946.32) 4543.8,2946.32 4543.8,2939.75 ccw(c4549.82,2939.75) 4549.82,2933.73 ccw(c4549.82,2939.75) 4555.84,2939.75 4555.84,2945.3 cw(c4562.88,2945.3) 4562.88,2952.34 4661.03,2952.34 4679.21,2952.34 4689.42,2962.55 5199.75,2962.55 5206.33,2955.97 5222.53,2955.97 5226.05,2952.45 5242.81,2952.45 v1(5244.28,2950.98)
DDR3_A8: R46.1 U8.N4 U9.T8 | length 2433.6
  L1_Signal w4: R46.1@5460,2697.5 5460,2739.5 5460,2782.89 ccw(c5455.5,2782.89) 5455.5,2787.39 5448.49,2787.39 cw(c5448.49,2791.89) 5448.49,2796.39 5475.5,2796.39 ccw(c5475.5,2800.89) 5475.5,2805.39 5444.5,2805.39 cw(c5444.5,2809.89) 5444.5,2814.39 5475.5,2814.39 ccw(c5475.5,2818.89) 5475.5,2823.39 5444.5,2823.39 cw(c5444.5,2827.89) 5444.5,2832.39 5475.5,2832.39 ccw(c5475.5,2836.89) 5475.5,2841.39 5444.5,2841.39 cw(c5444.5,2845.89) 5444.5,2850.39 5475.5,2850.39 ccw(c5475.5,2854.89) 5475.5,2859.39 5444.5,2859.39 cw(c5444.5,2863.89) 5444.5,2868.39 5475.5,2868.39 ccw(c5475.5,2872.89) 5475.5,2877.39 5444.5,2877.39 cw(c5444.5,2881.89) 5444.5,2886.39 5475.5,2886.39 ccw(c5475.5,2890.89) 5475.5,2895.39 5464.5,2895.39 cw(c5464.5,2899.89) 5460,2899.89 5460,2901.89 U9.T8@5445.68,2916.22 5445.68,2916.39 5460.52,2931.23 v1(5460.52,2931.41)
  L1_Signal w10: v1(4157.78,2962.53) 4159.14,2962.53 4162.88,2958.79 4175.2,2958.79 U8.N4@4176.68,2957.31
  L3_Signal w7.04: v1(4157.78,2962.53) 4128.85,2991.46 4113.86,2991.46 4108.23,2997.1 4067.11,2997.1 4055.76,2985.75 4055.76,2871.54 4102.3,2825 4621.12,2825 4965.13,2825 cw(c4965.13,2817.96) 4972.17,2817.96 4972.17,2816.2 ccw(c4978.19,2816.2) 4978.19,2810.18 ccw(c4978.19,2816.2) 4984.21,2816.2 4984.21,2817.96 cw(c4991.25,2817.96) 4991.25,2825 4994.77,2825 5393.33,2825 5460.52,2892.18 v1(5460.52,2931.41)